# Altium PCB MOTHER_BOARD_V1.0.PcbDoc (part 1 of 2) (continued)
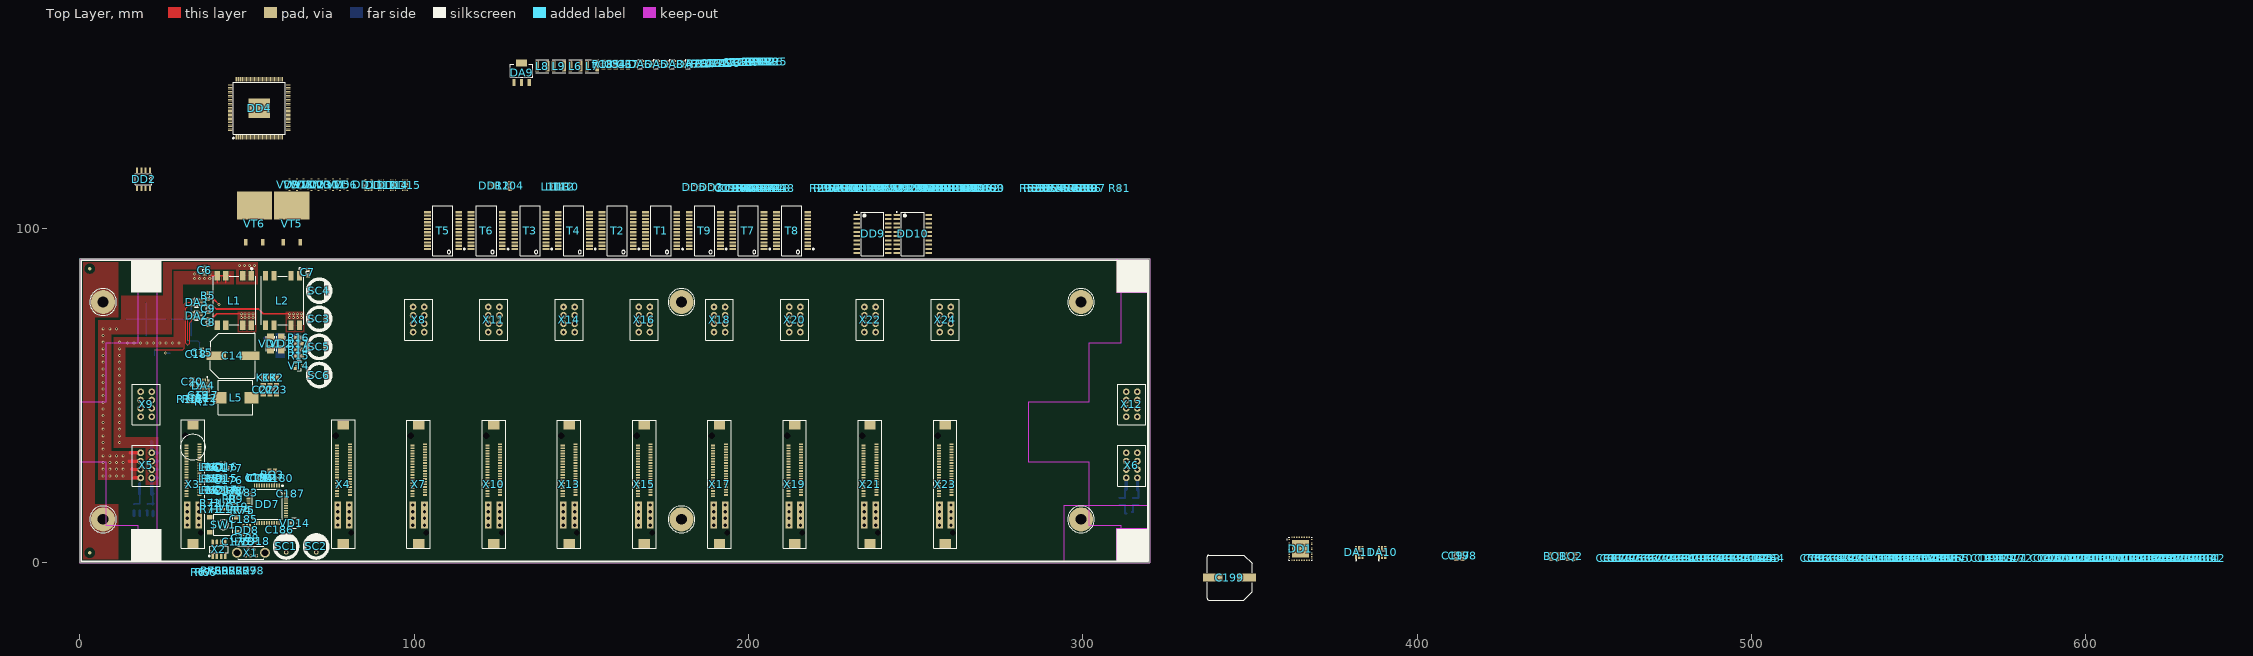
[diagram p0: Top Layer view]
## Components (designator, comment, footprint, x,y, rotation, side; value= is the part's Value field where it differs from the comment) (continued)
C129 "0,1 мкФ" C0402 628.695,1.408 r90 top
C130 "0,1 мкФ" C0402 633.127,1.408 r90 top
C131 "0,1 мкФ" C0402 636.452,1.408 r90 top
C132 "0,1 мкФ" C0402 637.56,1.408 r90 top
C133 "0,1 мкФ" C0402 634.236,1.408 r90 top
C134 "0,1 мкФ" C0402 635.344,1.408 r90 top
C135 "0,1 мкФ" C0402 626.479,1.408 r90 top
C136 "0,1 мкФ" C0402 617.614,1.408 r90 top
C137 "0,1 мкФ" C0402 618.722,1.408 r90 top
C138 "0,1 мкФ" C0402 616.506,1.408 r90 top
C139 "0,1 мкФ" C0402 614.29,1.408 r90 top
C140 "0,1 мкФ" C0402 615.398,1.408 r90 top
C141 "0,1 мкФ" C0402 619.83,1.408 r90 top
C142 "0,1 мкФ" C0402 624.263,1.408 r90 top
C143 "0,1 мкФ" C0402 625.371,1.408 r90 top
C144 "0,1 мкФ" C0402 623.155,1.408 r90 top
C145 "0,1 мкФ" C0402 620.938,1.408 r90 top
C146 "0,1 мкФ" C0402 622.046,1.408 r90 top
C147 "0,1 мкФ" C0402 587.695,1.408 r90 top
C148 "0,1 мкФ" C0402 553.344,1.408 r90 top
C149 "0,1 мкФ" C0402 554.452,1.408 r90 top
C150 "0,1 мкФ" C0402 552.236,1.408 r90 top
C151 "0,1 мкФ" C0402 550.02,1.408 r90 top
C152 "0,1 мкФ" C0402 551.128,1.408 r90 top
C153 "0,1 мкФ" C0402 555.56,1.408 r90 top
C154 "0,1 мкФ" C0402 559.993,1.408 r90 top
C155 "0,1 мкФ" C0402 561.101,1.408 r90 top
C156 "0,1 мкФ" C0402 558.885,1.408 r90 top
C157 "0,1 мкФ" C0402 556.668,1.408 r90 top
C158 "0,1 мкФ" C0402 557.776,1.408 r90 top
C159 "0,1 мкФ" C0402 541.155,1.408 r90 top
C160 "0,1 мкФ" C0402 542.263,1.408 r90 top
C161 "0,1 мкФ" C0402 540.047,1.408 r90 top
C162 "0,1 мкФ" C0402 537.831,1.408 r90 top
C163 "0,1 мкФ" C0402 538.939,1.408 r90 top
C164 "0,1 мкФ" C0402 543.371,1.408 r90 top
C165 "0,1 мкФ" C0402 547.804,1.408 r90 top
C166 "0,1 мкФ" C0402 548.912,1.408 r90 top
C167 "0,1 мкФ" C0402 546.695,1.408 r90 top
C168 "0,1 мкФ" C0402 544.479,1.408 r90 top
C169 "0,1 мкФ" C0402 545.587,1.408 r90 top
C170 "0,1 мкФ" C0402 562.209,1.408 r90 top
C171 "0,1 мкФ" C0402 578.83,1.408 r90 top
C172 "0,1 мкФ" C0402 579.939,1.408 r90 top
C173 "0,1 мкФ" C0402 577.722,1.408 r90 top
C174 "0,1 мкФ" C0402 575.506,1.408 r90 top
C175 "1 мкФ" C0402 46.875,6.375 r180 top
C176 "0,47 мкФ" C0402 44.625,24.775 r270 top
C177 "0,47 мкФ" C0402 44.625,28.3 r270 top
C178 "0,47 мкФ" C0402 44.625,21.375 r270 top
C179 "0,1 мкФ" C0402 61.827,9.71 r0 bottom
C180 "22 пФ" C0402 59.725,25.35 r90 top
C181 "22 пФ" C0402 55.375,25.35 r270 top
C182 "0,1 мкФ" C0402 54.587,25.35 r270 top
C183 "0,1 мкФ" C0402 49.025,20.975 r270 top
C184 "0,47 мкФ" C0402 53.8,25.35 r270 top
C185 "0,1 мкФ" C0402 49.025,13.1 r90 top
C186 "0,1 мкФ" C0402 59.825,9.9 r90 top
C187 "0,1 мкФ" C0402 63.125,20.675 r90 top
C188 "0,1 мкФ" C0402 49.575,7.375 r0 top
C189 "2,2 нФ" C0402 574.398,1.408 r90 top
C190 "0,1 мкФ" C0402 197.532,112.095 r90 top
C191 "0,1 мкФ" C0402 572.182,1.408 r90 top
C192 "0,1 мкФ" C0402 569.966,1.408 r90 top
C193 "0,1 мкФ" C0402 571.074,1.408 r90 top
C194 "0,1 мкФ" C0402 196.424,112.095 r90 top
C195 "0,1 мкФ" C0402 194.208,112.095 r90 top
C196 "0,1 мкФ" C0402 195.316,112.095 r90 top
C197 "0,1 мкФ" C0805 411.736,2.058 r90 top
C198 "0,1 мкФ" C0805 413.594,2.058 r90 top
C199 "220 мкФ 63 В" WCAP-ASLL_12.5x14 343.95,-4.4 r0 top
DA1 "LM5165YDRC" VSON-10 56.545,66.975 r90 bottom
DA2 "LTC4412ES6" TSOT-23-6 34.953,73.962 r90 top
DA3 "LTC4412ES6" TSOT-23-6 34.953,77.879 r90 top
DA4 "TPS54020RUW" PVQFN-N15 36.925,52.925 r180 top
DA5 "TPS562209DDC" SOT-23-6 172.421,149.192 r0 top
DA6 "TPS562209DDC" SOT-23-6 167.636,149.192 r0 top
DA7 "TPS562209DDC" SOT-23-6 181.991,149.192 r0 top
DA8 "TPS562209DDC" SOT-23-6 177.206,149.192 r0 top
DA9 "LD1117S12CTR" SOT-223 132.179,146.767 r0 top
DA10 "LTC4412ES6" TSOT-23-6 389.531,3.133 r0 top
DA11 "LTC4412ES6" TSOT-23-6 382.714,3.133 r0 top
DD1 "KSZ9031RNXIC" QFN-48_5.1x5.1_EPAD 365.132,4.208 r0 top
DD2 "AT24C32E-SSHM-T" SOIC8 19.12,114.734 r0 top
DD3 "TCA9617B" VSSOP8 188.892,112.295 r0 top
DD4 "88E6390" "TQFP-144 (EPAD)" 53.7,135.95 r0 top
DD5 "TCA9617B" VSSOP8 183.794,112.295 r0 top
DD6 "ADM3061EARMZ" MSOP-8 58.43,10.875 r0 bottom
DD7 "STM32F103RBT6" LQFP64 56.075,17.475 r270 top locked
DD8 "24AA64T-I/OT" SOT-23(DBV5) 49.975,9.775 r180 top
DD9 "SN74LVC245ADWR" SOIC-20W 237.128,98.362 r0 top
DD10 "SN74LVC245ADWR" SOIC-20W 249.176,98.362 r0 top
DD11 "SN74AHC1G09DBVR" SOT-23(DBV5) 86.38,113.045 r0 top
DD12 "DS25BR100TSD" WSON-8_3x3 123.981,112.745 r0 top
DD13 "DS25BR100TSD" WSON-8_3x3 90.088,112.945 r90 top
DD14 "DS25BR100TSD" WSON-8_3x3 93.696,112.945 r90 top
DD15 "DS25BR100TSD" WSON-8_3x3 97.304,112.945 r90 top
HL1 "WL-SMCW 150060GS84000 (зелёный)" "WL-SMCW_0603 dome" 42.435,16.025 r180 top
HL2 "WL-SMCW 150060GS84000 (зелёный)" "WL-SMCW_0603 dome" 42.435,17.932 r180 top
K1 "GND_DELIM" GND_DELIM 54.925,55.475 r270 top net-tie
K2 "GND_DELIM" GND_DELIM 58.875,55.475 r270 top net-tie
K3 "GND_DELIM" GND_DELIM 56.9,55.475 r270 top net-tie
L1 "WE-UCF 744290130" WE-UCF 46.188,78.433 r270 top locked
L2 "WE-UCF 744290130" WE-UCF 60.646,78.433 r270 top locked
L3 "150 мкГн" WE-TPC_6823 62.325,65 r270 bottom
L4 "WE-CBF 742792625" WE-CBF_0603 59,59.35 r270 bottom
L5 "2,2 мкГн" WE-LHMI_1040 46.625,49.425 r0 top
L6 "2,2 мкГн" WE_LQSH_4020 148.278,148.542 r0 top
L7 "2,2 мкГн" WE_LQSH_4020 153.236,148.542 r0 top
L8 "2,2 мкГн" WE_LQSH_4020 138.362,148.542 r0 top
L9 "2,2 мкГн" WE_LQSH_4020 143.32,148.542 r0 top
L10 "WE-CBF 742792625" WE-CBF_0603 146.336,112.545 r90 top
L11 "WE-CBF 742792625" WE-CBF_0603 141.103,112.545 r90 top
L12 "WE-CBF 742792625" WE-CBF_0603 145.027,112.545 r90 top
L13 "WE-CBF 742792625" WE-CBF_0603 143.719,112.545 r90 top
L14 "WE-CBF 742792625" WE-CBF_0603 142.411,112.545 r90 top
L15 "WE-CBF 742792625" WE-CBF_0603 38.537,25.125 r270 top
L16 "WE-CBF 742792625" WE-CBF_0603 38.537,28.625 r270 top
L17 "WE-CBF 742792625" WE-CBF_0603 38.538,21.725 r90 top
L18 "WE-CBF 742792625" WE-CBF_0603 49.35,6.375 r0 top
L19 "WE-CBF 742792625" WE-CBF_0603 52.875,25.575 r90 top
R1 "100К" R0402 53.85,66.65 r270 bottom
R2 "1 Ом" R0603 64.7,60.175 r180 bottom
R3 "88,7 1%" R0805 68.725,4.85 r90 bottom locked
R4 "88,7 1%" R0805 67.175,4.85 r90 bottom locked
R5 "5K11 1%" R0805 38.408,79.869 r90 top
R6 "470К" R0805 46.275,21.6 r90 top
R7 "470К" R0805 47.8,21.6 r90 top
R8 "5К1" R0402 44.9,19.025 r180 top
R9 "100" R0402 46.9,19.025 r0 top value="100 Ом 0402"
R10 "88K7 1%" R0805 32.375,48.975 r90 top
R11 "5K11 1%" R0805 33.9,48.975 r90 top
R12 "11К 1%" R0603 38.05,49.175 r0 top
R13 "1К5 1%" R0402 37.7,48.2 r0 top
R14 "88,7 1%" R0805 65.525,63.742 r180 top
R15 "88,7 1%" R0805 65.525,61.934 r180 top
R16 "88,7 1%" R0805 65.525,67.358 r180 top
R17 "88,7 1%" R0805 65.525,65.55 r180 top
R18 "510 Ом 1%" R0805 156.619,149.067 r90 top
R19 "10К 1%" R0402 203.67,149.817 r90 top
R20 "330" R0402 202.462,149.817 r90 top
R21 "10К 1%" R0402 201.254,149.817 r90 top
R22 "10К 1%" R0402 204.878,149.817 r90 top
R23 "9К76 1%" R0603 184.799,149.267 r90 top
R24 "162 1%" R0603 186.207,149.267 r90 top
R25 "82К5 1%" R0402 208.502,149.817 r90 top
R26 "36К 1%" R0402 207.294,149.817 r90 top
R27 "33К2 1%" R0603 187.615,149.267 r90 top
R28 "4К02 1%" R0402 206.086,149.817 r90 top
R29 "1K" R0402 221.642,111.995 r90 top
R30 "1K" R0402 228.89,111.995 r90 top
R31 "1K" R0402 227.682,111.995 r90 top
R32 "10К" R0402 231.306,111.995 r90 top
R33 "10К" R0402 230.098,111.995 r90 top
R34 "10К" R0402 224.058,111.995 r90 top
R35 "10К" R0402 222.85,111.995 r90 top
R36 "1K" R0402 226.474,111.995 r90 top
R37 "12К1 1%" R0402 225.266,111.995 r90 top
R38 "820 Ом 1%" R0402 210.77,111.995 r90 top
R39 "2К" R0402 199.898,111.995 r90 top
R40 "2К" R0402 198.69,111.995 r90 top
R41 "820 Ом 1%" R0402 207.146,111.995 r90 top
R42 "4К7" R0402 205.938,111.995 r90 top
R43 "4К7" R0402 209.562,111.995 r90 top
R44 "4К7" R0402 208.354,111.995 r90 top
R45 "4К7" R0402 202.314,111.995 r90 top
R46 "4К7" R0402 201.106,111.995 r90 top
R47 "4К7" R0402 204.73,111.995 r90 top
R48 "4К7" R0402 203.522,111.995 r90 top
R49 "820 Ом 1%" R0402 232.514,111.995 r90 top
R50 "4К7" R0402 286.874,111.995 r90 top
R51 "4К99 1%" R0402 288.082,111.995 r90 top
R52 "820 Ом 1%" R0402 284.458,111.995 r90 top
R53 "4К7" R0402 285.666,111.995 r90 top
R54 "820 Ом 1%" R0402 291.706,111.995 r90 top
R55 "820 Ом 1%" R0402 292.914,111.995 r90 top
R56 "820 Ом 1%" R0402 289.29,111.995 r90 top
R57 "820 Ом 1%" R0402 290.498,111.995 r90 top
R58 "33К 1%" R0603 39.65,25.125 r90 top
R59 "10К 1%" R0603 40.788,25.125 r90 top
R60 "33К 1%" R0603 39.65,28.625 r90 top
R61 "10К 1%" R0603 40.788,28.625 r90 top
R62 "33К 1%" R0603 39.65,21.725 r270 top
R63 "10К 1%" R0603 40.788,21.725 r270 top
R64 "120 Ом" R0805 64.675,11.875 r90 bottom
R65 "10К" R0402 60.45,14.05 r0 bottom
R66 "820 Ом 1%" R0402 37.787,-2.783 r90 top
R67 "820 Ом 1%" R0402 36.579,-2.783 r90 top
R68 "820 Ом 1%" R0402 43.661,-2.333 r180 top
R69 "820 Ом 1%" R0402 41.553,-2.333 r180 top
R70 "2К7" R0402 42.275,3.6 r270 bottom
R71 "820 Ом 1%" R0402 39.25,15.975 r180 top
R72 "820 Ом 1%" R0402 39.25,17.9 r180 top
R73 "2К7" R0402 41,3.6 r270 bottom
R74 "2К7" R0402 48.275,15.725 r90 top
R75 "2К7" R0402 49.15,15.725 r90 top
R76 "820 Ом 1%" R0402 39.445,-2.333 r180 top
R77 "820 Ом 1%" R0402 45.769,-2.333 r180 top
R78 "820 Ом 1%" R0402 52.093,-2.333 r180 top
R79 "820 Ом 1%" R0402 49.985,-2.333 r180 top
R80 "820 Ом 1%" R0402 47.877,-2.333 r180 top
R81 "1K" R0402 311.034,111.995 r90 top
R82 "4К7" R0402 297.746,111.995 r90 top
R83 "1K" R0402 298.954,111.995 r90 top
R84 "4К7" R0402 295.33,111.995 r90 top
R85 "4К7" R0402 296.538,111.995 r90 top
R86 "4К7" R0402 302.578,111.995 r90 top
R87 "4К7" R0402 303.786,111.995 r90 top
R88 "4К7" R0402 300.162,111.995 r90 top
R89 "4К7" R0402 301.37,111.995 r90 top
R90 "4К7" R0402 273.586,111.995 r90 top
R91 "4К7" R0402 245.802,111.995 r90 top
R92 "4К7" R0402 247.01,111.995 r90 top
R93 "4К7" R0402 243.386,111.995 r90 top
R94 "4К7" R0402 250.634,111.995 r90 top
R95 "4К7" R0402 238.554,111.995 r90 top
R96 "4К7" R0402 239.762,111.995 r90 top
R97 "4К7" R0402 253.05,111.995 r90 top
R98 "4К7" R0402 266.338,111.995 r90 top
R99 "4К7" R0402 267.546,111.995 r90 top
R100 "4К7" R0402 263.922,111.995 r90 top
R101 "4К7" R0402 265.13,111.995 r90 top
R102 "4К7" R0402 271.17,111.995 r90 top
R103 "4К7" R0402 272.378,111.995 r90 top
R104 "5K11 1%" R0805 128.697,112.745 r90 top
R105 "4К7" R0402 268.754,111.995 r90 top
R106 "4К7" R0402 269.962,111.995 r90 top
R107 "4К7" R0402 256.674,111.995 r90 top
R108 "4К7" R0402 257.882,111.995 r90 top
R109 "4К7" R0402 254.258,111.995 r90 top
R110 "4К7" R0402 255.466,111.995 r90 top
R111 "4К7" R0402 262.714,111.995 r90 top
R112 "4К7" R0402 259.09,111.995 r90 top
R113 "4К7" R0402 260.298,111.995 r90 top
R114 "4К7" R0402 261.506,111.995 r90 top
R115 "4К7" R0402 240.97,111.995 r90 top
R116 "4К7" R0402 234.93,111.995 r90 top
R117 "4К7" R0402 233.722,111.995 r90 top
R118 "4К7" R0402 237.346,111.995 r90 top
R119 "4К7" R0402 236.138,111.995 r90 top
R120 "4К7" R0402 249.426,111.995 r90 top
R121 "4К7" R0402 244.594,111.995 r90 top
R122 "4К7" R0402 242.178,111.995 r90 top
R123 "4К7" R0402 248.218,111.995 r90 top
R124 "4К7" R0402 251.842,111.995 r90 top
RU1 "WE-VS 82550140" WE-VS_0805 17.917,16.617 r90 bottom
RU2 "WE-VS 82550140" WE-VS_0805 21.886,16.617 r270 bottom
RU3 "WE-VS 82550140" WE-VS_0805 312.675,18.35 r90 bottom
RU4 "WE-VS 82550140" WE-VS_0805 316.725,18.35 r270 bottom
SC1 "1 Ф 3,0 В" CAP_POL_8x13 61.754,3.143 r90 top
SC2 "1 Ф 3,0 В" CAP_POL_8x13 70.737,3.143 r90 top
SC3 "1 Ф 3,0 В" CAP_POL_8x13 69.9,72.992 r0 top
SC4 "1 Ф 3,0 В" CAP_POL_8x13 69.9,81.4 r0 top
SC5 "1 Ф 3,0 В" CAP_POL_8x13 69.9,64.583 r0 top
SC6 "1 Ф 3,0 В" CAP_POL_8x13 69.9,56.175 r0 top
SW1 "WS-TASV 430182050816" "WS-TASV 430182050816" 42.95,11.425 r0 top
T1 "Topaz TE-1x1G" "Topaz TE-1x1G" 173.923,99.362 r90 top
T2 "Topaz TE-1x1G" "Topaz TE-1x1G" 160.875,99.362 r90 top
T3 "Topaz TE-1x1G" "Topaz TE-1x1G" 134.779,99.362 r90 top
T4 "Topaz TE-1x1G" "Topaz TE-1x1G" 147.827,99.362 r90 top
T5 "Topaz TE-1x1G" "Topaz TE-1x1G" 108.683,99.362 r90 top
T6 "Topaz TE-1x1G" "Topaz TE-1x1G" 121.731,99.362 r90 top
T7 "Topaz TE-1x1G" "Topaz TE-1x1G" 200.019,99.362 r90 top
T8 "Topaz TE-1x1G" "Topaz TE-1x1G" 213.067,99.362 r90 top
T9 "Topaz TE-1x1G" "Topaz TE-1x1G" 186.971,99.362 r90 top
VD1 "MRA4007T3G" SMA(DO-214AC) 57.054,65.55 r270 top
VD2 "MRA4007T3G" SMA(DO-214AC) 60.263,65.55 r270 top
VD3 "SMAJ12A" SMA(DO-214AC) 19.755,20.671 r180 bottom locked
VD4 "SMAJ12A" SMA(DO-214AC) 314.7,22.041 r180 bottom
VD5 "WE-TVS 824014881" "WE-TVS 824014881" 77.431,113.095 r90 top
VD6 "WE-TVS 824014881" "WE-TVS 824014881" 79.589,113.095 r90 top
VD7 "WE-TVS 824014881" "WE-TVS 824014881" 64.483,113.095 r90 top
VD8 "WE-TVS 824014881" "WE-TVS 824014881" 66.475,113.15 r90 top
VD9 "WE-TVS 824014881" "WE-TVS 824014881" 62.325,113.095 r90 top
VD10 "WE-TVS 824014881" "WE-TVS 824014881" 73.115,113.095 r90 top
VD11 "WE-TVS 824014881" "WE-TVS 824014881" 75.273,113.095 r90 top
VD12 "WE-TVS 824014881" "WE-TVS 824014881" 68.799,113.095 r90 top
VD13 "WE-TVS 824014881" "WE-TVS 824014881" 70.957,113.095 r90 top
VD14 "WE-TVS 824021" SOT-23 64.325,11.875 r0 top
VD15 "BAV199W" SOT-323 42.821,25.275 r0 top
VD16 "BAV199W" SOT-323 42.821,28.8 r0 top
VD17 "BAV199W" SOT-323 42.821,21.875 r0 top
VD18 "WE-TVS 82400152" SOT-563 52.375,6.525 r0 top
VD19 "BAT54A" SOT-23 46,16.725 r270 top
VT1 "DMP3098L-7" SOT-23 64.675,4.9 r90 bottom locked
VT2 "SUM110P06-07L-E3" "D2PAK (TO-263)" 33.363,67.392 r180 bottom locked
VT3 "SUM110P06-07L-E3" "D2PAK (TO-263)" 19.905,67.392 r180 bottom
VT4 "DMP3098L-7" SOT-23 65.525,59.025 r180 top
VT5 "SUM110P06-07L-E3" "D2PAK (TO-263)" 63.461,101.412 r0 top
VT6 "SUM110P06-07L-E3" "D2PAK (TO-263)" 52.265,101.425 r0 top
X1 "WR-COM 651005136421" WR-COM_651005136421 51.225,2.995 r0 top
X2 "WR-PHD 62330821021" WR-PHD_62330821021 41.65,4.025 r0 top locked
X3 "Amphenol CE1204000110111" CE1204000110111 36.182,9.003 r90 top locked
X4 "Amphenol CE1204000110111" CE1204000110111 81.182,9.003 r90 top locked
X5 "MOLEX 46112-0201" "MOLEX 46112-0201" 19.9,29.156 r0 top locked
X6 "MOLEX 46112-0201" "MOLEX 46112-0201" 314.7,29.166 r0 top locked
X7 "Amphenol CE1204000110111" CE1204000110111 103.683,8.99 r90 top locked
X8 "MOLEX 46112-0201" "MOLEX 46112-0201" 101.383,72.78 r0 top locked
X9 "MOLEX 46112-0201" "MOLEX 46112-0201" 19.881,47.44 r0 top locked
X10 "Amphenol CE1204000110111" CE1204000110111 126.183,8.99 r90 top locked
X11 "MOLEX 46112-0201" "MOLEX 46112-0201" 123.883,72.78 r0 top locked
X12 "MOLEX 46112-0201" "MOLEX 46112-0201" 314.681,47.44 r0 top locked
X13 "Amphenol CE1204000110111" CE1204000110111 148.684,8.99 r90 top locked
X14 "MOLEX 46112-0201" "MOLEX 46112-0201" 146.384,72.78 r0 top locked
X15 "Amphenol CE1204000110111" CE1204000110111 171.184,8.99 r90 top locked
X16 "MOLEX 46112-0201" "MOLEX 46112-0201" 168.884,72.78 r0 top locked
X17 "Amphenol CE1204000110111" CE1204000110111 193.684,8.99 r90 top locked
X18 "MOLEX 46112-0201" "MOLEX 46112-0201" 191.385,72.78 r0 top locked
X19 "Amphenol CE1204000110111" CE1204000110111 216.185,8.99 r90 top locked
X20 "MOLEX 46112-0201" "MOLEX 46112-0201" 213.885,72.78 r0 top locked
X21 "Amphenol CE1204000110111" CE1204000110111 238.685,8.99 r90 top locked
X22 "MOLEX 46112-0201" "MOLEX 46112-0201" 236.385,72.78 r0 top locked
X23 "Amphenol CE1204000110111" CE1204000110111 261.186,8.99 r90 top locked
X24 "MOLEX 46112-0201" "MOLEX 46112-0201" 258.886,72.78 r0 top locked

## Footprints (in the part's own frame and the unit in brackets; to place one, negate y for a bottom-side part, rotate by r counter-clockwise, add the part's x,y. Pads: shape width x height; smd on the part's side, far side on the other; paste and mask are expansions set on the pad)
C0402 [mm]
  rect 0.6x0.5 smd paste-0.025 mask+0.05: 1(-0.55,0) 2(0.55,0)
  silkscreen extent 0,-0.15 0,0.15, body extent -0.5,-0.25 0.5,0.25, height 0.63
C0603 [mm]
  rect 0.8x0.75 smd paste-0.037 mask+0.05: 1(-0.75,0) 2(0.75,0)
  silkscreen extent -0.15,-0.33 0.15,0.33, body extent -0.8,-0.4 0.8,0.4, height 0.93
C0805 [mm]
  rect 1x1.25 smd paste-0.05 mask+0.05: 1(-1,0) 2(1,0)
  silkscreen extent -0.33,-0.55 0.33,0.55, body extent -1,-0.62 1,0.63, height 1.03
C1206 [mm]
  rect 1x1.6 smd paste-0.05 mask+0.05: 1(-1.5,0) 2(1.5,0)
  silkscreen extent -0.82,-0.72 0.82,0.72, body extent -1.6,-0.8 1.6,0.8, height 1.03
CAP_POL_8x13 [mm]
  round 1.4 hole 0.8 paste+0 mask+0.075: 1(0,0) 2(3.5,0)
  silkscreen extent -1.73,-3.47 5.3,3.48, body extent -2.26,-4 5.75,4, height 13.06
CE1204000110111 [mm]
  rect 2.7x3.4 smd paste-0.1 mask+0.05: 0(-3.15,2.3) 0(32.2,2.3)
  rect 0.5x1.2 smd paste-0.05 mask+0.05: 1(11.3,0.4) 2(10.9,4.2) 3(12.1,0.4) 4(11.7,4.2) 5(12.9,0.4) 6(12.5,4.2) 7(13.7,0.4) 8(13.3,4.2) 9(14.5,0.4) 10(14.1,4.2) 11(15.3,0.4) 12(14.9,4.2) 13(16.1,0.4) 14(15.7,4.2) 15(16.9,0.4) 16(16.5,4.2) 17(17.7,0.4) 18(17.3,4.2) 19(18.5,0.4) 20(18.1,4.2) 21(19.3,0.4) 22(18.9,4.2) 23(20.1,0.4) 24(19.7,4.2) 25(20.9,0.4) 26(20.5,4.2) 27(21.7,0.4) 28(21.3,4.2) 29(22.5,0.4) 30(22.1,4.2) 31(23.3,0.4) 32(22.9,4.2) 33(24.1,0.4) 34(23.7,4.2) 35(24.9,0.4) 36(24.5,4.2) 37(25.7,0.4) 38(25.3,4.2) 39(26.5,0.4) 40(26.1,4.2)
  rect 0x0 hole 1.65 unplated paste+0 mask+0.05: MO(0,0)
  rect 0x0 hole 1.95 unplated paste+0 mask+0.05: MO(29.05,4.6)
  rect 2x2 hole 1 paste+0 mask+0.1: P1(8.3,0.57) P2(6.3,0.57) P3(4.3,0.57) P4(2.3,0.57) P5(8.3,4.03) P6(6.3,4.03) P7(4.3,4.03) P8(2.3,4.03)
  silkscreen extent -4.67,-1.2 33.73,5.8, body extent -4.3,-1.2 33.35,5.8, height 11.3
"D2PAK (TO-263)" [mm] "D2-PAK/TO-263-AB; 3 Leads (1 Cropped); Body 15.5 (inc. leads) x 10.5 mm (LxW max)"
  rect 1.05x2 smd paste+0 mask+0.075: 1(-2.54,-5.5) 3(2.54,-5.5)
  rect 10.55x8.4 smd paste-0.2 mask+0.075: 4(0,5.5)
  body extent -5.05,-5.97 5.11,9.3, height 4.98
GND_DELIM [mm]
  rect 1x1.45 smd paste-5 mask-5: 1(-0.4,0) 2(0.5,0)
LQFP64 [mm]
  rrect50% 1.2x0.3 smd paste+0 mask+0.05: 1(-5.6,3.75) 2(-5.6,3.25) 3(-5.6,2.75) 4(-5.6,2.25) 5(-5.6,1.75) 6(-5.6,1.25) 7(-5.6,0.75) 8(-5.6,0.25) 9(-5.6,-0.25) 10(-5.6,-0.75) 11(-5.6,-1.25) 12(-5.6,-1.75) 13(-5.6,-2.25) 14(-5.6,-2.75) 15(-5.6,-3.25) 16(-5.6,-3.75) 33(5.6,-3.75) 34(5.6,-3.25) 35(5.6,-2.75) 36(5.6,-2.25) 37(5.6,-1.75) 38(5.6,-1.25) 39(5.6,-0.75) 40(5.6,-0.25) 41(5.6,0.25) 42(5.6,0.75) 43(5.6,1.25) 44(5.6,1.75) 45(5.6,2.25) 46(5.6,2.75) 47(5.6,3.25) 48(5.6,3.75)
  rrect50% 0.3x1.2 smd paste+0 mask+0.05: 17(-3.75,-5.6) 18(-3.25,-5.6) 19(-2.75,-5.6) 20(-2.25,-5.6) 21(-1.75,-5.6) 22(-1.25,-5.6) 23(-0.75,-5.6) 24(-0.25,-5.6) 25(0.25,-5.6) 26(0.75,-5.6) 27(1.25,-5.6) 28(1.75,-5.6) 29(2.25,-5.6) 30(2.75,-5.6) 31(3.25,-5.6) 32(3.75,-5.6) 49(3.75,5.6) 50(3.25,5.6) 51(2.75,5.6) 52(2.25,5.6) 53(1.75,5.6) 54(1.25,5.6) 55(0.75,5.6) 56(0.25,5.6) 57(-0.25,5.6) 58(-0.75,5.6) 59(-1.25,5.6) 60(-1.75,5.6) 61(-2.25,5.6) 62(-2.75,5.6) 63(-3.25,5.6) 64(-3.75,5.6)
  silkscreen extent -5.77,-4.46 4.46,4.8, body extent -6,-6 6,6, height 1.6
"MOLEX 46112-0201" [mm]
  round 2 hole 1.02 paste-0.1 mask+0.05: 1(-1.665,3.75) 2(1.665,3.75) 3(-1.665,1.25) 4(1.665,1.25) 5(-1.665,-1.25) 6(1.665,-1.25) 7(-1.665,-3.75) 8(1.665,-3.75)
  silkscreen extent -4.17,-6.2 4.17,6.05, body extent -4.17,-6.2 4.17,6.05, height 15.22
MSOP-8 [mm]
  rect 1.35x0.45 smd paste-0.01 mask+0.05: 1(0,0) 2(0,-0.65) 3(0,-1.3) 4(0,-1.95) 5(3.945,-1.95) 6(3.945,-1.3) 7(3.945,-0.65) 8(3.945,0)
  silkscreen extent -1.3,-2.43 3.07,0.48, body extent -0.5,-2.52 4.44,0.58, height 1.1
PVQFN-N15 [mm]
  rect 0.8x0.35 on Top Paste paste+0 mask+0: 0(-1.7,-0.85) 0(-1.7,0.85) 0(1.7,-0.85) 0(1.7,0.85)
  rect 0.8x0.65 on Top Paste paste+0 mask+0: 0(-1.7,0) 0(1.7,0)
  rect 0.85x0.35 on Top Paste paste+0 mask+0: 0(-0.58,0.85) 0(-0.58,-0.85) 0(0.58,0.85) 0(0.58,-0.85)
  rect 0.85x0.65 on Top Paste paste+0 mask+0: 0(-0.58,0) 0(0.58,0)
  rrect50% 0.28x0.85 smd paste-0.015 mask+0.05: 1(-1.25,-1.725)
  rect 0.28x0.85 smd paste-0.015 mask+0.05: 2(-0.75,-1.725) 3(-0.25,-1.725) 4(0.25,-1.725) 5(0.75,-1.725) 6(1.25,-1.725) 10(1.25,1.725) 11(0.75,1.725) 12(0.25,1.725) 13(-0.25,1.725) 14(-0.75,1.725) 15(-1.25,1.725)
  rect 4.3x0.4 smd paste-10 mask+0.05: 7(0,-0.85) 9(0,0.85)
  rect 4.3x0.7 smd paste-10 mask+0.05: 8(0,0)
  silkscreen extent -1.8,-2.77 1.8,1.8, body extent -1.8,-1.8 1.8,1.8, height 1
QFN-48_5.1x5.1_EPAD [mm]
  rect 0.5x0.25 smd paste+0 mask+0.05: 1(-3.4,2.75) 2(-3.4,2.25) 3(-3.4,1.75) 4(-3.4,1.25) 5(-3.4,0.75) 6(-3.4,0.25) 7(-3.4,-0.25) 8(-3.4,-0.75) 9(-3.4,-1.25) 10(-3.4,-1.75) 11(-3.4,-2.25) 12(-3.4,-2.75) 25(3.4,-2.75) 26(3.4,-2.25) 27(3.4,-1.75) 28(3.4,-1.25) 29(3.4,-0.75) 30(3.4,-0.25) 31(3.4,0.25) 32(3.4,0.75) 33(3.4,1.25) 34(3.4,1.75) 35(3.4,2.25) 36(3.4,2.75)
  rect 0.25x0.5 smd paste+0 mask+0.05: 13(-2.75,-3.4) 14(-2.25,-3.4) 15(-1.75,-3.4) 16(-1.25,-3.4) 17(-0.75,-3.4) 18(-0.25,-3.4) 19(0.25,-3.4) 20(0.75,-3.4) 21(1.25,-3.4) 22(1.75,-3.4) 23(2.25,-3.4) 24(2.75,-3.4) 37(2.75,3.4) 38(2.25,3.4) 39(1.75,3.4) 40(1.25,3.4) 41(0.75,3.4) 42(0.25,3.4) 43(-0.25,3.4) 44(-0.75,3.4) 45(-1.25,3.4) 46(-1.75,3.4) 47(-2.25,3.4) 48(-2.75,3.4)
  rect 5.2x5.2 smd paste-0.15 mask+0.05: 49(0,0)
  silkscreen extent -4.1,-3.5 3.5,3.5, body extent -3.5,-3.51 3.51,3.5, height 0.83
R0402 [mm]
  rect 0.5x0.6 smd paste-0.025 mask+0.05: 1(-0.5,0) 2(0.5,0)
  silkscreen extent 0,-0.15 0,0.15, body extent -0.5,-0.25 0.5,0.25, height 0.3
R0603 [mm]
  rect 0.9x0.8 smd paste-0.04 mask+0.05: 1(-0.85,0) 2(0.85,0)
  silkscreen extent -0.23,-0.33 0.23,0.33, body extent -0.8,-0.4 0.8,0.4, height 0.4
R0805 [mm]
  rect 0.9x1.2 smd paste-0.045 mask+0.05: 1(-1.05,0) 2(1.05,0)
  silkscreen extent -0.43,-0.55 0.43,0.55, body extent -1,-0.62 1,0.63, height 0.5
SMA(DO-214AC) [mm]
  rect 2x2 smd paste-0.05 mask+0.075: 1(-2,0) 2(2,0)
  silkscreen extent -2.2,-1.25 2.2,1.25, body extent -2.5,-1.35 2.5,1.35, height 2.2
SOIC8 [mm]
  rrect50% 0.6x1.55 smd paste-0.015 mask+0.07: 1(1.905,2.694)
  rect 0.6x1.55 smd paste-0.015 mask+0.07: 2(0.635,2.694) 3(-0.635,2.694) 4(-1.905,2.694) 5(-1.905,-2.694) 6(-0.635,-2.694) 7(0.635,-2.694) 8(1.905,-2.694)
  silkscreen extent -2.45,-1.61 2.45,1.59, body extent -2.45,-2.96 2.45,3.04, height 1.75
SOIC-20W [mm]
  rrect50% 1.9x0.6 smd paste+0 mask+0.07: 1(-4.75,5.715)
  rect 1.9x0.6 smd paste+0 mask+0.07: 2(-4.75,4.445) 3(-4.75,3.175) 4(-4.75,1.905) 5(-4.75,0.635) 6(-4.75,-0.635) 7(-4.75,-1.905) 8(-4.75,-3.175) 9(-4.75,-4.445) 10(-4.75,-5.715) 11(4.75,-5.715) 12(4.75,-4.445) 13(4.75,-3.175) 14(4.75,-1.905) 15(4.75,-0.635) 16(4.75,0.635) 17(4.75,1.905) 18(4.75,3.175) 19(4.75,4.445) 20(4.75,5.715)
  silkscreen extent -4.87,-6.5 3.4,6.69, body extent -5.2,-6.3 5.2,6.3, height 2.6
SOT-23 [mm]
  rect 1x0.9 smd paste+0 mask+0.05: 1(1.1,-0.95) 2(1.1,0.95) 3(-1.1,0)
  silkscreen extent -0.7,-1.55 0.7,1.55, body extent -1.32,-1.5 1.32,1.5, height 1.08
SOT-23(DBV5) [mm]
  rect 0.6x1 smd paste-0.015 mask+0.05: 1(-0.95,-1.3) 2(0,-1.3) 3(0.95,-1.3) 4(0.95,1.3) 5(-0.95,1.3)
  silkscreen extent -1.55,-0.9 1.55,0.9, body extent -1.46,-1.17 1.46,1.17, height 1
SOT-23-6 [mm]
  rrect50% 1x0.6 smd paste-0.015 mask+0.05: 1(-1.3,0.95)
  rect 1x0.6 smd paste-0.015 mask+0.05: 2(-1.3,0) 3(-1.3,-0.95) 4(1.3,-0.95) 5(1.3,0) 6(1.3,0.95)
  silkscreen extent -2.3,-1.4 0.67,1.38, body extent -1.23,-1.4 1.2,1.39, height 1.11
SOT-223 [mm]
  rect 0.95x2.15 smd paste+0 mask+0.075: 1(-2.3,-3.1) 2(0,-3.1) 3(2.3,-3.1)
  rect 3.25x2.15 smd paste+0 mask+0.075: 4(0,2.7)
  silkscreen extent -3.4,-1.6 3.4,2.4, body extent -3.35,-3.57 3.35,3.63, height 1.85
SOT-323 [mm]
  rect 0.7x0.8 smd paste-0.02 mask+0.05: 1(0.65,1.05) 2(-0.65,1.05) 3(0,-1.05)
  silkscreen extent -1.1,-0.48 1.1,0.48, body extent -1.1,-1.1 1.1,1.15, height 1.1
SOT-563 [mm]
  rrect50% 0.3x0.5 smd paste-0.01 mask+0.05: 1(-0.5,-0.7)
  rect 0.3x0.5 smd paste-0.01 mask+0.05: 2(0,-0.7) 3(0.5,-0.7) 4(0.5,0.7) 5(0,0.7) 6(-0.5,0.7)
  silkscreen extent -0.95,-0.72 0.75,0.25, body extent -0.8,-0.81 0.8,0.81, height 0.58
"Topaz TE-1x1G" [mm] "Single Port Gigabit Transformer"
  rrect50% 0.64x2.03 smd paste-0.03 mask+0.075: 1(-5.5,-4.675)
  rect 0.64x2.03 smd paste-0.03 mask+0.075: 2(-4.5,-4.675) 3(-3.5,-4.675) 4(-2.5,-4.675) 5(-1.5,-4.675) 6(-0.5,-4.675) 7(0.5,-4.675) 8(1.5,-4.675) 9(2.5,-4.675) 10(3.5,-4.675) 11(4.5,-4.675) 12(5.5,-4.675) 13(5.5,4.675) 14(4.5,4.675) 15(3.5,4.675) 16(2.5,4.675) 17(1.5,4.675) 18(0.5,4.675) 19(-0.5,4.675) 20(-1.5,4.675) 21(-2.5,4.675) 22(-3.5,4.675) 23(-4.5,4.675) 24(-5.5,4.675)
  silkscreen extent -7.5,-6.58 7.5,3.06, body extent -7.55,-5.28 7.56,5.28, height 4.19
"TQFP-144 (EPAD)" [mm]
  rect 0.22x1.35 smd paste-0.01 mask+0.05: 1(-7,-8.725) 2(-6.6,-8.725) 3(-6.2,-8.725) 4(-5.8,-8.725) 5(-5.4,-8.725) 6(-5,-8.725) 7(-4.6,-8.725) 8(-4.2,-8.725) 9(-3.8,-8.725) 10(-3.4,-8.725) 11(-3,-8.725) 12(-2.6,-8.725) 13(-2.2,-8.725) 14(-1.8,-8.725) 15(-1.4,-8.725) 16(-1,-8.725) 17(-0.6,-8.725) 18(-0.2,-8.725) 19(0.2,-8.725) 20(0.6,-8.725) 21(1,-8.725) 22(1.4,-8.725) 23(1.8,-8.725) 24(2.2,-8.725) 25(2.6,-8.725) 26(3,-8.725) 27(3.4,-8.725) 28(3.8,-8.725) 29(4.2,-8.725) 30(4.6,-8.725) 31(5,-8.725) 32(5.4,-8.725) 33(5.8,-8.725) 34(6.2,-8.725) 35(6.6,-8.725) 36(7,-8.725) 73(7,8.725) 74(6.6,8.725) 75(6.2,8.725) 76(5.8,8.725) 77(5.4,8.725) 78(5,8.725) 79(4.6,8.725) 80(4.2,8.725) 81(3.8,8.725) 82(3.4,8.725) 83(3,8.725) 84(2.6,8.725) 85(2.2,8.725) 86(1.8,8.725) 87(1.4,8.725) 88(1,8.725) 89(0.6,8.725) 90(0.2,8.725) 91(-0.2,8.725) 92(-0.6,8.725) 93(-1,8.725) 94(-1.4,8.725) 95(-1.8,8.725) 96(-2.2,8.725) 97(-2.6,8.725) 98(-3,8.725) 99(-3.4,8.725) 100(-3.8,8.725) 101(-4.2,8.725) 102(-4.6,8.725) 103(-5,8.725) 104(-5.4,8.725) 105(-5.8,8.725) 106(-6.2,8.725) 107(-6.6,8.725) 108(-7,8.725)
  rect 1.35x0.22 smd paste-0.01 mask+0.05: 37(8.725,-7) 38(8.725,-6.6) 39(8.725,-6.2) 40(8.725,-5.8) 41(8.725,-5.4) 42(8.725,-5) 43(8.725,-4.6) 44(8.725,-4.2) 45(8.725,-3.8) 46(8.725,-3.4) 47(8.725,-3) 48(8.725,-2.6) 49(8.725,-2.2) 50(8.725,-1.8) 51(8.725,-1.4) 52(8.725,-1) 53(8.725,-0.6) 54(8.725,-0.2) 55(8.725,0.2) 56(8.725,0.6) 57(8.725,1) 58(8.725,1.4) 59(8.725,1.8) 60(8.725,2.2) 61(8.725,2.6) 62(8.725,3) 63(8.725,3.4) 64(8.725,3.8) 65(8.725,4.2) 66(8.725,4.6) 67(8.725,5) 68(8.725,5.4) 69(8.725,5.8) 70(8.725,6.2) 71(8.725,6.6) 72(8.725,7) 109(-8.725,7) 110(-8.725,6.6) 111(-8.725,6.2) 112(-8.725,5.8) 113(-8.725,5.4) 114(-8.725,5) 115(-8.725,4.6) 116(-8.725,4.2) 117(-8.725,3.8) 118(-8.725,3.4) 119(-8.725,3) 120(-8.725,2.6) 121(-8.725,2.2) 122(-8.725,1.8) 123(-8.725,1.4) 124(-8.725,1) 125(-8.725,0.6) 126(-8.725,0.2) 127(-8.725,-0.2) 128(-8.725,-0.6) 129(-8.725,-1) 130(-8.725,-1.4) 131(-8.725,-1.8) 132(-8.725,-2.2) 133(-8.725,-2.6) 134(-8.725,-3) 135(-8.725,-3.4) 136(-8.725,-3.8) 137(-8.725,-4.2) 138(-8.725,-4.6) 139(-8.725,-5) 140(-8.725,-5.4) 141(-8.725,-5.8) 142(-8.725,-6.2) 143(-8.725,-6.6) 144(-8.725,-7)
  rect 6.5x5.8 smd paste-8 mask+0.05: 145(0,0)
  silkscreen extent -7.92,-9.12 7.83,7.85, body extent -9,-9 9,9, height 1.2
TSOT-23-6 [mm]
  rect 0.62x1.22 smd paste-0.01 mask+0.05: 1(-0.95,-1.31) 2(0,-1.31) 3(0.95,-1.31) 4(0.95,1.31) 5(0,1.31) 6(-0.95,1.31)
  silkscreen extent -1.38,-2.48 1.38,0.53, body extent -1.45,-1.41 1.45,1.41, height 1
VSON-10 [mm] "TPS3850"
  rect 0.25x0.34 on Bottom Paste paste+0 mask+0.05: 0(-0.25,1.53) 1(0.25,1.53) 2(0.25,-1.53) 3(-0.25,-1.53)
  rect 1.5x1.06 on Bottom Paste paste+0 mask+0.05: 0(0,-0.63) 0(0,0.63)
  rect 0.6x0.24 smd paste+0 mask+0.05: 1(-1.4,1) 2(-1.4,0.5) 3(-1.4,0) 4(-1.4,-0.5) 5(-1.4,-1) 6(1.4,-1) 7(1.4,-0.5) 8(1.4,0) 9(1.4,0.5) 10(1.4,1)
  rect 1.65x2.4 smd paste-5 mask+0.05: 11(0,0)
  Top Layer region: -0.825,1.2 -0.375,1.2 -0.375,1.7 -0.125,1.7 -0.125,1.2 0.125,1.2 0.125,1.7 0.375,1.7 0.375,1.2 0.825,1.2 0.825,-1.2 0.375,-1.2 0.375,-1.7 0.125,-1.7 0.125,-1.2 -0.125,-1.2 -0.125,-1.7 -0.375,-1.7 -0.375,-1.2 -0.825,-1.2
  silkscreen extent -2.3,-1.5 1.5,1.5, body extent -1.5,-1.5 1.5,1.5, height 0.9
VSSOP8 [mm]
  rrect50% 0.8x0.3 smd paste-0.015 mask+0.05: 1(-1.55,0.75)
  rect 0.8x0.3 smd paste-0.015 mask+0.05: 2(-1.55,0.25) 3(-1.55,-0.25) 4(-1.55,-0.75) 5(1.55,-0.75) 6(1.55,-0.25) 7(1.55,0.25) 8(1.55,0.75)
  silkscreen extent -2.47,-1 0.8,1, body extent -1.6,-1.05 1.6,1.05, height 0.93
WCAP-ASLL_12.5x14 [mm] "Aluminium Electrolytic V-Chip SMT Capacitors, §¶12.5x14mm"
  rect 5.8x2.5 smd paste-0.06 mask+0.05: 1(5.05,0) 2(-5.05,0)
  silkscreen extent -6.73,-6.73 6.73,6.73, body extent -7.1,-6.72 7.1,6.73, height 14
WE-CBF_0603 [mm] "EMI Suppression Ferrite Bead"
  rect 0.95x0.7 smd paste-0.04 mask+0.05: 1(-0.825,0) 2(0.825,0)
  silkscreen extent -0.2,-0.35 0.2,0.35, body extent -0.8,-0.4 0.8,0.4, height 0.8
WE-LHMI_1040 [mm] "SMT Power Inductor, 2-Leads, body 10x10mm"
  rect 4.1x3.5 smd paste+0 mask+0.05: 1(-4.75,0) 2(4.75,0)
  silkscreen extent -5.15,-5.15 5.15,5.15, body extent -5.5,-5 5.5,5, height 3.8
WE-TPC_6823 [mm] "Power Inductor, SMD, 2-Leads, body 6.8x6.8mm"
  rect 7.3x0.9 smd paste-403.566 mask-403.566: 1(0,3.2) 2(0,-3.2)
  Top Layer region: -3.65,1.05 -3.65,3.65 3.65,3.65 3.65,1.05 3.65,1.05 2.488,1.05 1.745,2.06 0.627,2.626 -0.627,2.626 -1.745,2.06 -2.488,1.05 -2.488,1.05 -2.488,1.05
  Top Layer region: 3.65,-1.05 3.65,-3.65 -3.65,-3.65 -3.65,-1.05 -3.65,-1.05 -2.488,-1.05 -1.745,-2.06 -0.627,-2.626 0.627,-2.626 1.745,-2.06 2.488,-1.05 2.488,-1.05 2.488,-1.05
  silkscreen extent -3.5,-0.75 3.5,0.75, body extent -3.4,-3.4 3.4,3.4, height 2.3
"WE-TVS 824014881" [mm]
  rrect50% 0.2x0.6 smd paste+0 mask+0.05: 1(-1.7,-0.475)
  rect 0.2x0.6 smd paste+0 mask+0.05: 2(-0.8,-0.475) 3(0,-0.475) 4(0.8,-0.475) 5(1.7,-0.475) 6(1.3,0.475) 7(0.4,0.475) 8(-0.4,0.475) 9(-1.3,0.475)
  body extent -1.9,-0.5 1.9,0.5, height 0.5
WE-UCF [mm] "SMD Inductor, body 14.5x12.5mm"
  rect 2.8x1.6 smd paste+0 mask+0.075: 1(-7.4,5.08) 2(-7.4,2.54) 4(-7.4,-2.54) 5(-7.4,-5.08) 6(7.4,-5.08) 7(7.4,-2.54) 9(7.4,2.54) 10(7.4,5.08)
  silkscreen extent -9.8,-6.3 7.25,6.3, body extent -8.8,-6.25 8.8,6.25, height 9.5
WE-VS_0805 [mm] "SMD Varistor, 2-Leads, body 2x1.25mm"
  rect 1x1.3 smd paste-0.05 mask+0.05: 1(-1.1,0) 2(1.1,0)
  silkscreen extent -0.43,-0.63 0.43,0.63, body extent -1,-0.62 1,0.63, height 1.23
WE-XTAL_CFPX-180 [mm] "Quartz Crystal, size CFPX-180, body 3.4x2.7mm"
  rect 1.4x1.15 smd paste+0 mask+0.05: 1(-1.1,-0.8) 2(1.1,-0.8) 3(1.1,0.8) 4(-1.1,0.8)
  silkscreen extent -2.37,-0.87 -2.12,-0.63, body extent -1.7,-1.35 1.7,1.35, height 0.65
WE_LQSH_4020 [mm]
  rrect50% 1.2x3.3 smd paste-0.03 mask+0.075: 1(-1.55,0) 2(1.55,0)
  silkscreen extent -2,-2 2,2, body extent -2,-2.02 2,2, height 2.02
"WL-SMCW_0603 dome" [mm] "SMD Mono-color Chip LED, body 1.6x0.8mm"
  rect 0.7x0.8 smd paste+0 mask+0.05: 1(-0.85,0) 2(0.85,0)
  body extent -0.8,-0.4 0.8,0.4, height 0.95
WR-COM_651005136421 [mm] "Mini USB 2.0 Type B Vertical 5 Contacts"
  round 1.1 hole 0.6 paste+0 mask+0.075: 1(-1.6,-0.87) 2(-0.8,1.03) 3(0,-0.87) 4(0.8,1.03) 5(1.6,-0.87)
  round 3 hole 2 paste+0 mask+0.075: SH1(-4.2,0.03) SH2(4.2,0.03)
  silkscreen extent -3.85,-1.95 3.85,1.95, body extent -5.1,-1.92 5.1,1.98, height 9.4
WR-PHD_62330821021 [mm] "1.27mm SMT Straight Dual Socket  Header"
  rrect50% 0.74x1.7 smd paste-0.02 mask+0.05: 1(-1.905,-2.057) 2(-1.905,2.057) 3(-0.635,-2.057) 4(-0.635,2.057) 5(0.635,-2.057) 6(0.635,2.057) 7(1.905,-2.057) 8(1.905,2.057)
  silkscreen extent -3.1,-2.17 2.75,1, body extent -2.74,-2.3 2.74,2.3, height 4.6
"WS-TASV 430182050816" [mm] "SMD Tact Switch 6x6mm h=5mm"
  rect 1.6x1.3 smd paste-0.03 mask+0.075: 1(-4,2.25) 2(-4,-2.25) 3(4,2.25) 4(4,-2.25)
  silkscreen extent -2.8,-3.1 2.8,3.1, body extent -4.5,-3.1 4.5,3.1, height 5.05
WSON-8_3x3 [mm]
  rrect25% 0.6x0.25 smd paste+0 mask+0.05: 1(-1.4,0.75) 2(-1.4,0.25) 3(-1.4,-0.25) 4(-1.4,-0.75) 5(1.4,-0.75) 6(1.4,-0.25) 7(1.4,0.25) 8(1.4,0.75)
  rrect15% 1.6x2 smd paste+0 mask+0.05: 9(0,0)
  body extent -1.55,-1.55 1.55,1.55, height 0.8